# Allegro board 038NC-GRIFFI-V9A_16.brd (continued)
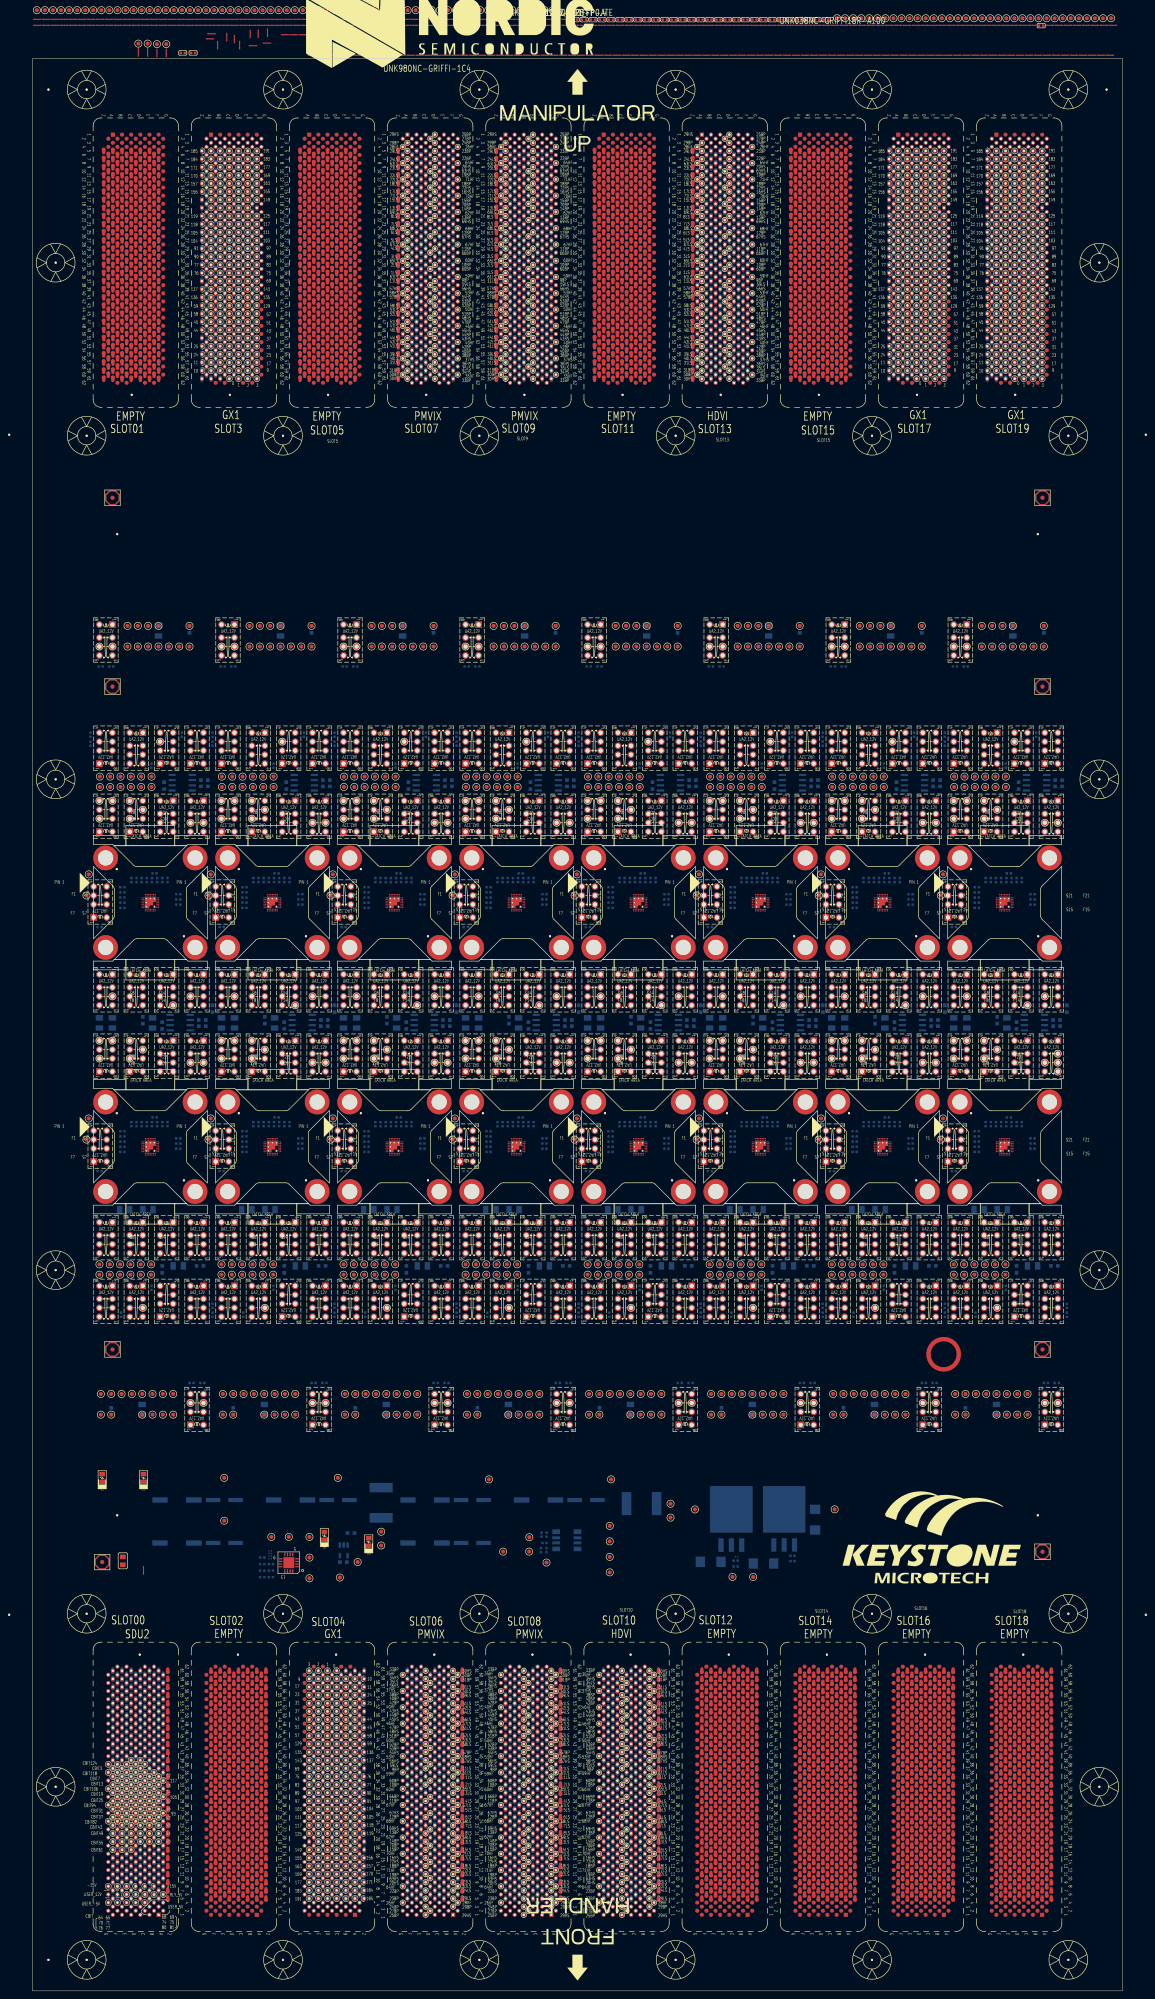
[diagram p0: board, top side]
## Footprints (pads in the part's own frame, mm; a bottom-side part is the same pattern mirrored in y, then rotated) (continued)
PG_LTXDX_F_X1_PMVIX_SL07
  round 0.508 hole 3.2 unplated: (-37.184,154.842)
  round 0.051 hole 2.489x2.21 unplated: (-36.185,220.292)
  rect 1.016x1.016 hole 0.559: A1(-41.814,218.796)
  round 1.016 hole 0.559: A2(-42.939,217.796) A3(-41.814,216.796) A4(-42.939,215.796) A5(-41.814,214.796) A6(-42.939,213.796) A7(-41.814,212.796) A8(-42.939,211.796) A9(-41.814,210.796) A10(-42.939,209.796) A11(-41.814,208.796) A12(-42.939,207.796) A13(-41.814,206.796) A14(-42.939,205.796) A15(-41.814,204.796) A16(-42.939,203.796) A17(-41.814,202.796) A18(-42.939,201.796) A19(-41.814,200.796) A20(-42.939,199.796) A21(-41.814,198.796) A22(-42.939,197.796) A23(-41.814,196.796) A24(-42.939,195.796) A25(-41.814,194.796) A26(-42.939,193.796) A27(-41.814,192.796) A28(-42.939,191.796) A29(-41.814,190.796) A30(-42.939,189.796) A31(-41.814,188.796) A32(-42.939,187.796) A33(-41.814,186.796) A34(-42.939,185.796) A35(-41.814,184.796) A36(-42.939,183.796) A37(-41.814,182.796) A38(-42.939,181.796) A39(-41.814,180.796) A40(-42.939,179.796) A41(-41.814,178.796) A42(-42.939,177.796) A43(-41.814,176.796) A44(-42.939,175.796) A45(-41.814,174.796) A46(-42.939,173.796) A47(-41.814,172.796) A48(-42.939,171.796) A49(-41.814,170.796) A50(-42.939,169.796) A51(-41.814,168.796) A52(-42.939,167.796) A53(-41.814,166.796) A54(-42.939,165.796) A55(-41.814,164.796) A56(-42.939,163.796) A57(-41.814,162.796) A58(-42.939,161.796) A59(-41.814,160.796) A60(-42.939,159.796) A61(-41.814,158.796) B1(-39.565,218.796) B2(-40.69,217.796) B3(-39.565,216.796) B4(-40.69,215.796) B5(-39.565,214.796) B6(-40.69,213.796) B7(-39.565,212.796) B8(-40.69,211.796) B9(-39.565,210.796) B10(-40.69,209.796) B11(-39.565,208.796) B12(-40.69,207.796) B13(-39.565,206.796) B14(-40.69,205.796) B15(-39.565,204.796) B16(-40.69,203.796) B17(-39.565,202.796) B18(-40.69,201.796) B19(-39.565,200.796) B20(-40.69,199.796) B21(-39.565,198.796) B22(-40.69,197.796) B23(-39.565,196.796) B24(-40.69,195.796) B25(-39.565,194.796) B26(-40.69,193.796) B27(-39.565,192.796) B28(-40.69,191.796) B29(-39.565,190.796) B30(-40.69,189.796) B31(-39.565,188.796) B32(-40.69,187.796) B33(-39.565,186.796) B34(-40.69,185.796) B35(-39.565,184.796) B36(-40.69,183.796) B37(-39.565,182.796) B38(-40.69,181.796) B39(-39.565,180.796) B40(-40.69,179.796) B41(-39.565,178.796) B42(-40.69,177.796) B43(-39.565,176.796) B44(-40.69,175.796) B45(-39.565,174.796) B46(-40.69,173.796) B47(-39.565,172.796) B48(-40.69,171.796) B49(-39.565,170.796) B50(-40.69,169.796) B51(-39.565,168.796) B52(-40.69,167.796) B53(-39.565,166.796) B54(-40.69,165.796) B55(-39.565,164.796) B56(-40.69,163.796) B57(-39.565,162.796) B58(-40.69,161.796) B59(-39.565,160.796) B60(-40.69,159.796) B61(-39.565,158.796) B62(-40.69,157.796) C1(-37.314,218.796) C2(-38.44,217.796) C3(-37.314,216.796) C4(-38.44,215.796) C5(-37.314,214.796) C6(-38.44,213.796) C7(-37.314,212.796) C8(-38.44,211.796) C9(-37.314,210.796) C10(-38.44,209.796) C11(-37.314,208.796) C12(-38.44,207.796) C13(-37.314,206.796) C14(-38.44,205.796) C15(-37.314,204.796) C16(-38.44,203.796) C17(-37.314,202.796) C18(-38.44,201.796) C19(-37.314,200.796) C20(-38.44,199.796) C21(-37.314,198.796) C22(-38.44,197.796) C23(-37.314,196.796) C24(-38.44,195.796) C25(-37.314,194.796) C26(-38.44,193.796) C27(-37.314,192.796) C28(-38.44,191.796) C29(-37.314,190.796) C30(-38.44,189.796) C31(-37.314,188.796) C32(-38.44,187.796) C33(-37.314,186.796) C34(-38.44,185.796) C35(-37.314,184.796) C36(-38.44,183.796) C37(-37.314,182.796) C38(-38.44,181.796) C39(-37.314,180.796) C40(-38.44,179.796) C41(-37.314,178.796) C42(-38.44,177.796) C43(-37.314,176.796) C44(-38.44,175.796) C45(-37.314,174.796) C46(-38.44,173.796) C47(-37.314,172.796) C48(-38.44,171.796) C49(-37.314,170.796) C50(-38.44,169.796) C51(-37.314,168.796) C52(-38.44,167.796) C53(-37.314,166.796) C54(-38.44,165.796) C55(-37.314,164.796) C56(-38.44,163.796) C57(-37.314,162.796) C58(-38.44,161.796) C59(-37.314,160.796) C60(-38.44,159.796) C61(-37.314,158.796) C62(-38.44,157.796) D1(-35.064,218.796) D2(-36.189,217.796) D3(-35.064,216.796) D4(-36.189,215.796) D5(-35.064,214.796) D6(-36.189,213.796) D7(-35.064,212.796) D8(-36.189,211.796) D9(-35.064,210.796) D10(-36.189,209.796) D11(-35.064,208.796) D12(-36.189,207.796) D13(-35.064,206.796) D14(-36.189,205.796) D15(-35.064,204.796) D16(-36.189,203.796) D17(-35.064,202.796) D18(-36.189,201.796) D19(-35.064,200.796) D20(-36.189,199.796) D21(-35.064,198.796) D22(-36.189,197.796) D23(-35.064,196.796) D24(-36.189,195.796) D25(-35.064,194.796) D26(-36.189,193.796) D27(-35.064,192.796) D28(-36.189,191.796) D29(-35.064,190.796) D30(-36.189,189.796) D31(-35.064,188.796) D32(-36.189,187.796) D33(-35.064,186.796) D34(-36.189,185.796) D35(-35.064,184.796) D36(-36.189,183.796) D37(-35.064,182.796) D38(-36.189,181.796) D39(-35.064,180.796) D40(-36.189,179.796) D41(-35.064,178.796) D42(-36.189,177.796) D43(-35.064,176.796) D44(-36.189,175.796) D45(-35.064,174.796) D46(-36.189,173.796) D47(-35.064,172.796) D48(-36.189,171.796) D49(-35.064,170.796) D50(-36.189,169.796) D51(-35.064,168.796) D52(-36.189,167.796) D53(-35.064,166.796) D54(-36.189,165.796) D55(-35.064,164.796) D56(-36.189,163.796) D57(-35.064,162.796) D58(-36.189,161.796) D59(-35.064,160.796) D60(-36.189,159.796) D61(-35.064,158.796) E1(-32.815,218.796) E2(-33.939,217.796) E3(-32.815,216.796) E4(-33.939,215.796) E5(-32.815,214.796) E6(-33.939,213.796) E7(-32.815,212.796) E8(-33.939,211.796) E9(-32.815,210.796) E10(-33.939,209.796) E11(-32.815,208.796) E12(-33.939,207.796) E13(-32.815,206.796) E14(-33.939,205.796) E15(-32.815,204.796) E16(-33.939,203.796) E17(-32.815,202.796) E18(-33.939,201.796) E19(-32.815,200.796) E20(-33.939,199.796) E21(-32.815,198.796) E22(-33.939,197.796) E23(-32.815,196.796) E24(-33.939,195.796) E25(-32.815,194.796) E26(-33.939,193.796) E27(-32.815,192.796) E28(-33.939,191.796) E29(-32.815,190.796) E30(-33.939,189.796) E31(-32.815,188.796) E32(-33.939,187.796) E33(-32.815,186.796) E34(-33.939,185.796) E35(-32.815,184.796) E36(-33.939,183.796) E37(-32.815,182.796) E38(-33.939,181.796) E39(-32.815,180.796) E40(-33.939,179.796) E41(-32.815,178.796) E42(-33.939,177.796) E43(-32.815,176.796) E44(-33.939,175.796) E45(-32.815,174.796) E46(-33.939,173.796) E47(-32.815,172.796) E48(-33.939,171.796) E49(-32.815,170.796) E50(-33.939,169.796) E51(-32.815,168.796) E52(-33.939,167.796) E53(-32.815,166.796) E54(-33.939,165.796) E55(-32.815,164.796) E56(-33.939,163.796) E57(-32.815,162.796) E58(-33.939,161.796) E59(-32.815,160.796) E60(-33.939,159.796) E61(-32.815,158.796) E62(-33.939,157.796) F1(-30.565,218.796) F2(-31.69,217.796) F3(-30.565,216.796) F4(-31.69,215.796) F5(-30.565,214.796) F6(-31.69,213.796) F7(-30.565,212.796) F8(-31.69,211.796) F9(-30.565,210.796) F10(-31.69,209.796) F11(-30.565,208.796) F12(-31.69,207.796) F13(-30.565,206.796) F14(-31.69,205.796) F15(-30.565,204.796) F16(-31.69,203.796) F17(-30.565,202.796) F18(-31.69,201.796) F19(-30.565,200.796) F20(-31.69,199.796) F21(-30.565,198.796) F22(-31.69,197.796) F23(-30.565,196.796) F24(-31.69,195.796) F25(-30.565,194.796) F26(-31.69,193.796) F27(-30.565,192.796) F28(-31.69,191.796) F29(-30.565,190.796) F30(-31.69,189.796) F31(-30.565,188.796) F32(-31.69,187.796) F33(-30.565,186.796) F34(-31.69,185.796) F35(-30.565,184.796) F36(-31.69,183.796) F37(-30.565,182.796) F38(-31.69,181.796) F39(-30.565,180.796) F40(-31.69,179.796) F41(-30.565,178.796) F42(-31.69,177.796) F43(-30.565,176.796) F44(-31.69,175.796) F45(-30.565,174.796) F46(-31.69,173.796) F47(-30.565,172.796) F48(-31.69,171.796) F49(-30.565,170.796) F50(-31.69,169.796) F51(-30.565,168.796) F52(-31.69,167.796) F53(-30.565,166.796) F54(-31.69,165.796) F55(-30.565,164.796) F56(-31.69,163.796) F57(-30.565,162.796) F58(-31.69,161.796) F59(-30.565,160.796) F60(-31.69,159.796) F61(-30.565,158.796) F62(-31.69,157.796) G2(-29.44,217.796) G4(-29.44,215.796) G6(-29.44,213.796) G8(-29.44,211.796) G10(-29.44,209.796) G12(-29.44,207.796) G14(-29.44,205.796) G16(-29.44,203.796) G18(-29.44,201.796) G20(-29.44,199.796) G22(-29.44,197.796) G24(-29.44,195.796) G26(-29.44,193.796) G28(-29.44,191.796) G30(-29.44,189.796) G32(-29.44,187.796) G34(-29.44,185.796) G36(-29.44,183.796) G38(-29.44,181.796) G40(-29.44,179.796) G42(-29.44,177.796) G44(-29.44,175.796) G46(-29.44,173.796) G48(-29.44,171.796) G50(-29.44,169.796) G52(-29.44,167.796) G54(-29.44,165.796) G56(-29.44,163.796) G58(-29.44,161.796) G60(-29.44,159.796)
  custom 0.257x0.257 smd: Z5(-44.064,214.796) Z7(-44.064,212.796) Z9(-44.064,210.796) Z11(-44.064,208.796) Z13(-44.064,206.796) Z15(-44.064,204.796) Z17(-44.064,202.796) Z19(-44.064,200.796) Z21(-44.064,198.796) Z23(-44.064,196.796) Z25(-44.064,194.796) Z27(-44.064,192.796) Z29(-44.064,190.796) Z31(-44.064,188.796) Z33(-44.064,186.796) Z35(-44.064,184.796) Z37(-44.064,182.796) Z39(-44.064,180.796) Z41(-44.064,178.796) Z43(-44.064,176.796) Z45(-44.064,174.796) Z47(-44.064,172.796) Z49(-44.064,170.796) Z51(-44.064,168.796) Z53(-44.064,166.796) Z55(-44.064,164.796) Z57(-44.064,162.796) Z59(-44.064,160.796) Z61(-44.064,158.796)
PG_LTXDX_F_X1_PMVIX_SL08
  round 0.051 hole 2.489x2.21 unplated: (-12.075,-220.292)
  round 0.508 hole 3.2 unplated: (-11.076,-154.842)
  rect 1.016x1.016 hole 0.559: A1(-6.446,-218.796)
  round 1.016 hole 0.559: A2(-5.321,-217.796) A3(-6.446,-216.796) A4(-5.321,-215.796) A5(-6.446,-214.796) A6(-5.321,-213.796) A7(-6.446,-212.796) A8(-5.321,-211.796) A9(-6.446,-210.796) A10(-5.321,-209.796) A11(-6.446,-208.796) A12(-5.321,-207.796) A13(-6.446,-206.796) A14(-5.321,-205.796) A15(-6.446,-204.796) A16(-5.321,-203.796) A17(-6.446,-202.796) A18(-5.321,-201.796) A19(-6.446,-200.796) A20(-5.321,-199.796) A21(-6.446,-198.796) A22(-5.321,-197.796) A23(-6.446,-196.796) A24(-5.321,-195.796) A25(-6.446,-194.796) A26(-5.321,-193.796) A27(-6.446,-192.796) A28(-5.321,-191.796) A29(-6.446,-190.796) A30(-5.321,-189.796) A31(-6.446,-188.796) A32(-5.321,-187.796) A33(-6.446,-186.796) A34(-5.321,-185.796) A35(-6.446,-184.796) A36(-5.321,-183.796) A37(-6.446,-182.796) A38(-5.321,-181.796) A39(-6.446,-180.796) A40(-5.321,-179.796) A41(-6.446,-178.796) A42(-5.321,-177.796) A43(-6.446,-176.796) A44(-5.321,-175.796) A45(-6.446,-174.796) A46(-5.321,-173.796) A47(-6.446,-172.796) A48(-5.321,-171.796) A49(-6.446,-170.796) A50(-5.321,-169.796) A51(-6.446,-168.796) A52(-5.321,-167.796) A53(-6.446,-166.796) A54(-5.321,-165.796) A55(-6.446,-164.796) A56(-5.321,-163.796) A57(-6.446,-162.796) A58(-5.321,-161.796) A59(-6.446,-160.796) A60(-5.321,-159.796) A61(-6.446,-158.796) B1(-8.695,-218.796) B2(-7.57,-217.796) B3(-8.695,-216.796) B4(-7.57,-215.796) B5(-8.695,-214.796) B6(-7.57,-213.796) B7(-8.695,-212.796) B8(-7.57,-211.796) B9(-8.695,-210.796) B10(-7.57,-209.796) B11(-8.695,-208.796) B12(-7.57,-207.796) B13(-8.695,-206.796) B14(-7.57,-205.796) B15(-8.695,-204.796) B16(-7.57,-203.796) B17(-8.695,-202.796) B18(-7.57,-201.796) B19(-8.695,-200.796) B20(-7.57,-199.796) B21(-8.695,-198.796) B22(-7.57,-197.796) B23(-8.695,-196.796) B24(-7.57,-195.796) B25(-8.695,-194.796) B26(-7.57,-193.796) B27(-8.695,-192.796) B28(-7.57,-191.796) B29(-8.695,-190.796) B30(-7.57,-189.796) B31(-8.695,-188.796) B32(-7.57,-187.796) B33(-8.695,-186.796) B34(-7.57,-185.796) B35(-8.695,-184.796) B36(-7.57,-183.796) B37(-8.695,-182.796) B38(-7.57,-181.796) B39(-8.695,-180.796) B40(-7.57,-179.796) B41(-8.695,-178.796) B42(-7.57,-177.796) B43(-8.695,-176.796) B44(-7.57,-175.796) B45(-8.695,-174.796) B46(-7.57,-173.796) B47(-8.695,-172.796) B48(-7.57,-171.796) B49(-8.695,-170.796) B50(-7.57,-169.796) B51(-8.695,-168.796) B52(-7.57,-167.796) B53(-8.695,-166.796) B54(-7.57,-165.796) B55(-8.695,-164.796) B56(-7.57,-163.796) B57(-8.695,-162.796) B58(-7.57,-161.796) B59(-8.695,-160.796) B60(-7.57,-159.796) B61(-8.695,-158.796) B62(-7.57,-157.796) C1(-10.946,-218.796) C2(-9.82,-217.796) C3(-10.946,-216.796) C4(-9.82,-215.796) C5(-10.946,-214.796) C6(-9.82,-213.796) C7(-10.946,-212.796) C8(-9.82,-211.796) C9(-10.946,-210.796) C10(-9.82,-209.796) C11(-10.946,-208.796) C12(-9.82,-207.796) C13(-10.946,-206.796) C14(-9.82,-205.796) C15(-10.946,-204.796) C16(-9.82,-203.796) C17(-10.946,-202.796) C18(-9.82,-201.796) C19(-10.946,-200.796) C20(-9.82,-199.796) C21(-10.946,-198.796) C22(-9.82,-197.796) C23(-10.946,-196.796) C24(-9.82,-195.796) C25(-10.946,-194.796) C26(-9.82,-193.796) C27(-10.946,-192.796) C28(-9.82,-191.796) C29(-10.946,-190.796) C30(-9.82,-189.796) C31(-10.946,-188.796) C32(-9.82,-187.796) C33(-10.946,-186.796) C34(-9.82,-185.796) C35(-10.946,-184.796) C36(-9.82,-183.796) C37(-10.946,-182.796) C38(-9.82,-181.796) C39(-10.946,-180.796) C40(-9.82,-179.796) C41(-10.946,-178.796) C42(-9.82,-177.796) C43(-10.946,-176.796) C44(-9.82,-175.796) C45(-10.946,-174.796) C46(-9.82,-173.796) C47(-10.946,-172.796) C48(-9.82,-171.796) C49(-10.946,-170.796) C50(-9.82,-169.796) C51(-10.946,-168.796) C52(-9.82,-167.796) C53(-10.946,-166.796) C54(-9.82,-165.796) C55(-10.946,-164.796) C56(-9.82,-163.796) C57(-10.946,-162.796) C58(-9.82,-161.796) C59(-10.946,-160.796) C60(-9.82,-159.796) C61(-10.946,-158.796) C62(-9.82,-157.796) D1(-13.196,-218.796) D2(-12.071,-217.796) D3(-13.196,-216.796) D4(-12.071,-215.796) D5(-13.196,-214.796) D6(-12.071,-213.796) D7(-13.196,-212.796) D8(-12.071,-211.796) D9(-13.196,-210.796) D10(-12.071,-209.796) D11(-13.196,-208.796) D12(-12.071,-207.796) D13(-13.196,-206.796) D14(-12.071,-205.796) D15(-13.196,-204.796) D16(-12.071,-203.796) D17(-13.196,-202.796) D18(-12.071,-201.796) D19(-13.196,-200.796) D20(-12.071,-199.796) D21(-13.196,-198.796) D22(-12.071,-197.796) D23(-13.196,-196.796) D24(-12.071,-195.796) D25(-13.196,-194.796) D26(-12.071,-193.796) D27(-13.196,-192.796) D28(-12.071,-191.796) D29(-13.196,-190.796) D30(-12.071,-189.796) D31(-13.196,-188.796) D32(-12.071,-187.796) D33(-13.196,-186.796) D34(-12.071,-185.796) D35(-13.196,-184.796) D36(-12.071,-183.796) D37(-13.196,-182.796) D38(-12.071,-181.796) D39(-13.196,-180.796) D40(-12.071,-179.796) D41(-13.196,-178.796) D42(-12.071,-177.796) D43(-13.196,-176.796) D44(-12.071,-175.796) D45(-13.196,-174.796) D46(-12.071,-173.796) D47(-13.196,-172.796) D48(-12.071,-171.796) D49(-13.196,-170.796) D50(-12.071,-169.796) D51(-13.196,-168.796) D52(-12.071,-167.796) D53(-13.196,-166.796) D54(-12.071,-165.796) D55(-13.196,-164.796) D56(-12.071,-163.796) D57(-13.196,-162.796) D58(-12.071,-161.796) D59(-13.196,-160.796) D60(-12.071,-159.796) D61(-13.196,-158.796) E1(-15.445,-218.796) E2(-14.321,-217.796) E3(-15.445,-216.796) E4(-14.321,-215.796) E5(-15.445,-214.796) E6(-14.321,-213.796) E7(-15.445,-212.796) E8(-14.321,-211.796) E9(-15.445,-210.796) E10(-14.321,-209.796) E11(-15.445,-208.796) E12(-14.321,-207.796) E13(-15.445,-206.796) E14(-14.321,-205.796) E15(-15.445,-204.796) E16(-14.321,-203.796) E17(-15.445,-202.796) E18(-14.321,-201.796) E19(-15.445,-200.796) E20(-14.321,-199.796) E21(-15.445,-198.796) E22(-14.321,-197.796) E23(-15.445,-196.796) E24(-14.321,-195.796) E25(-15.445,-194.796) E26(-14.321,-193.796) E27(-15.445,-192.796) E28(-14.321,-191.796) E29(-15.445,-190.796) E30(-14.321,-189.796) E31(-15.445,-188.796) E32(-14.321,-187.796) E33(-15.445,-186.796) E34(-14.321,-185.796) E35(-15.445,-184.796) E36(-14.321,-183.796) E37(-15.445,-182.796) E38(-14.321,-181.796) E39(-15.445,-180.796) E40(-14.321,-179.796) E41(-15.445,-178.796) E42(-14.321,-177.796) E43(-15.445,-176.796) E44(-14.321,-175.796) E45(-15.445,-174.796) E46(-14.321,-173.796) E47(-15.445,-172.796) E48(-14.321,-171.796) E49(-15.445,-170.796) E50(-14.321,-169.796) E51(-15.445,-168.796) E52(-14.321,-167.796) E53(-15.445,-166.796) E54(-14.321,-165.796) E55(-15.445,-164.796) E56(-14.321,-163.796) E57(-15.445,-162.796) E58(-14.321,-161.796) E59(-15.445,-160.796) E60(-14.321,-159.796) E61(-15.445,-158.796) E62(-14.321,-157.796) F1(-17.695,-218.796) F2(-16.57,-217.796) F3(-17.695,-216.796) F4(-16.57,-215.796) F5(-17.695,-214.796) F6(-16.57,-213.796) F7(-17.695,-212.796) F8(-16.57,-211.796) F9(-17.695,-210.796) F10(-16.57,-209.796) F11(-17.695,-208.796) F12(-16.57,-207.796) F13(-17.695,-206.796) F14(-16.57,-205.796) F15(-17.695,-204.796) F16(-16.57,-203.796) F17(-17.695,-202.796) F18(-16.57,-201.796) F19(-17.695,-200.796) F20(-16.57,-199.796) F21(-17.695,-198.796) F22(-16.57,-197.796) F23(-17.695,-196.796) F24(-16.57,-195.796) F25(-17.695,-194.796) F26(-16.57,-193.796) F27(-17.695,-192.796) F28(-16.57,-191.796) F29(-17.695,-190.796) F30(-16.57,-189.796) F31(-17.695,-188.796) F32(-16.57,-187.796) F33(-17.695,-186.796) F34(-16.57,-185.796) F35(-17.695,-184.796) F36(-16.57,-183.796) F37(-17.695,-182.796) F38(-16.57,-181.796) F39(-17.695,-180.796) F40(-16.57,-179.796) F41(-17.695,-178.796) F42(-16.57,-177.796) F43(-17.695,-176.796) F44(-16.57,-175.796) F45(-17.695,-174.796) F46(-16.57,-173.796) F47(-17.695,-172.796) F48(-16.57,-171.796) F49(-17.695,-170.796) F50(-16.57,-169.796) F51(-17.695,-168.796) F52(-16.57,-167.796) F53(-17.695,-166.796) F54(-16.57,-165.796) F55(-17.695,-164.796) F56(-16.57,-163.796) F57(-17.695,-162.796) F58(-16.57,-161.796) F59(-17.695,-160.796) F60(-16.57,-159.796) F61(-17.695,-158.796) F62(-16.57,-157.796) G2(-18.82,-217.796) G4(-18.82,-215.796) G6(-18.82,-213.796) G8(-18.82,-211.796) G10(-18.82,-209.796) G12(-18.82,-207.796) G14(-18.82,-205.796) G16(-18.82,-203.796) G18(-18.82,-201.796) G20(-18.82,-199.796) G22(-18.82,-197.796) G24(-18.82,-195.796) G26(-18.82,-193.796) G28(-18.82,-191.796) G30(-18.82,-189.796) G32(-18.82,-187.796) G34(-18.82,-185.796) G36(-18.82,-183.796) G38(-18.82,-181.796) G40(-18.82,-179.796) G42(-18.82,-177.796) G44(-18.82,-175.796) G46(-18.82,-173.796) G48(-18.82,-171.796) G50(-18.82,-169.796) G52(-18.82,-167.796) G54(-18.82,-165.796) G56(-18.82,-163.796) G58(-18.82,-161.796) G60(-18.82,-159.796)
  custom 0.257x0.257 smd: Z5(-4.196,-214.796) Z7(-4.196,-212.796) Z9(-4.196,-210.796) Z11(-4.196,-208.796) Z13(-4.196,-206.796) Z15(-4.196,-204.796) Z17(-4.196,-202.796) Z19(-4.196,-200.796) Z21(-4.196,-198.796) Z23(-4.196,-196.796) Z25(-4.196,-194.796) Z27(-4.196,-192.796) Z29(-4.196,-190.796) Z31(-4.196,-188.796) Z33(-4.196,-186.796) Z35(-4.196,-184.796) Z37(-4.196,-182.796) Z39(-4.196,-180.796) Z41(-4.196,-178.796) Z43(-4.196,-176.796) Z45(-4.196,-174.796) Z47(-4.196,-172.796) Z49(-4.196,-170.796) Z51(-4.196,-168.796) Z53(-4.196,-166.796) Z55(-4.196,-164.796) Z57(-4.196,-162.796) Z59(-4.196,-160.796) Z61(-4.196,-158.796)
PG_LTXDX_F_X1_PMVIX_SL09
  round 0.508 hole 3.2 unplated: (-13.054,154.842)
  round 0.051 hole 2.489x2.21 unplated: (-12.055,220.292)
  rect 1.016x1.016 hole 0.559: A1(-17.684,218.796)
  round 1.016 hole 0.559: A2(-18.809,217.796) A3(-17.684,216.796) A4(-18.809,215.796) A5(-17.684,214.796) A6(-18.809,213.796) A7(-17.684,212.796) A8(-18.809,211.796) A9(-17.684,210.796) A10(-18.809,209.796) A11(-17.684,208.796) A12(-18.809,207.796) A13(-17.684,206.796) A14(-18.809,205.796) A15(-17.684,204.796) A16(-18.809,203.796) A17(-17.684,202.796) A18(-18.809,201.796) A19(-17.684,200.796) A20(-18.809,199.796) A21(-17.684,198.796) A22(-18.809,197.796) A23(-17.684,196.796) A24(-18.809,195.796) A25(-17.684,194.796) A26(-18.809,193.796) A27(-17.684,192.796) A28(-18.809,191.796) A29(-17.684,190.796) A30(-18.809,189.796) A31(-17.684,188.796) A32(-18.809,187.796) A33(-17.684,186.796) A34(-18.809,185.796) A35(-17.684,184.796) A36(-18.809,183.796) A37(-17.684,182.796) A38(-18.809,181.796) A39(-17.684,180.796) A40(-18.809,179.796) A41(-17.684,178.796) A42(-18.809,177.796) A43(-17.684,176.796) A44(-18.809,175.796) A45(-17.684,174.796) A46(-18.809,173.796) A47(-17.684,172.796) A48(-18.809,171.796) A49(-17.684,170.796) A50(-18.809,169.796) A51(-17.684,168.796) A52(-18.809,167.796) A53(-17.684,166.796) A54(-18.809,165.796) A55(-17.684,164.796) A56(-18.809,163.796) A57(-17.684,162.796) A58(-18.809,161.796) A59(-17.684,160.796) A60(-18.809,159.796) A61(-17.684,158.796) B1(-15.435,218.796) B2(-16.56,217.796) B3(-15.435,216.796) B4(-16.56,215.796) B5(-15.435,214.796) B6(-16.56,213.796) B7(-15.435,212.796) B8(-16.56,211.796) B9(-15.435,210.796) B10(-16.56,209.796) B11(-15.435,208.796) B12(-16.56,207.796) B13(-15.435,206.796) B14(-16.56,205.796) B15(-15.435,204.796) B16(-16.56,203.796) B17(-15.435,202.796) B18(-16.56,201.796) B19(-15.435,200.796) B20(-16.56,199.796) B21(-15.435,198.796) B22(-16.56,197.796) B23(-15.435,196.796) B24(-16.56,195.796) B25(-15.435,194.796) B26(-16.56,193.796) B27(-15.435,192.796) B28(-16.56,191.796) B29(-15.435,190.796) B30(-16.56,189.796) B31(-15.435,188.796) B32(-16.56,187.796) B33(-15.435,186.796) B34(-16.56,185.796) B35(-15.435,184.796) B36(-16.56,183.796) B37(-15.435,182.796) B38(-16.56,181.796) B39(-15.435,180.796) B40(-16.56,179.796) B41(-15.435,178.796) B42(-16.56,177.796) B43(-15.435,176.796) B44(-16.56,175.796) B45(-15.435,174.796) B46(-16.56,173.796) B47(-15.435,172.796) B48(-16.56,171.796) B49(-15.435,170.796) B50(-16.56,169.796) B51(-15.435,168.796) B52(-16.56,167.796) B53(-15.435,166.796) B54(-16.56,165.796) B55(-15.435,164.796) B56(-16.56,163.796) B57(-15.435,162.796) B58(-16.56,161.796) B59(-15.435,160.796) B60(-16.56,159.796) B61(-15.435,158.796) B62(-16.56,157.796) C1(-13.184,218.796) C2(-14.31,217.796) C3(-13.184,216.796) C4(-14.31,215.796) C5(-13.184,214.796) C6(-14.31,213.796) C7(-13.184,212.796) C8(-14.31,211.796) C9(-13.184,210.796) C10(-14.31,209.796) C11(-13.184,208.796) C12(-14.31,207.796) C13(-13.184,206.796) C14(-14.31,205.796) C15(-13.184,204.796) C16(-14.31,203.796) C17(-13.184,202.796) C18(-14.31,201.796) C19(-13.184,200.796) C20(-14.31,199.796) C21(-13.184,198.796) C22(-14.31,197.796) C23(-13.184,196.796) C24(-14.31,195.796) C25(-13.184,194.796) C26(-14.31,193.796) C27(-13.184,192.796) C28(-14.31,191.796) C29(-13.184,190.796) C30(-14.31,189.796) C31(-13.184,188.796) C32(-14.31,187.796) C33(-13.184,186.796) C34(-14.31,185.796) C35(-13.184,184.796) C36(-14.31,183.796) C37(-13.184,182.796) C38(-14.31,181.796) C39(-13.184,180.796) C40(-14.31,179.796) C41(-13.184,178.796) C42(-14.31,177.796) C43(-13.184,176.796) C44(-14.31,175.796) C45(-13.184,174.796) C46(-14.31,173.796) C47(-13.184,172.796) C48(-14.31,171.796) C49(-13.184,170.796) C50(-14.31,169.796) C51(-13.184,168.796) C52(-14.31,167.796) C53(-13.184,166.796) C54(-14.31,165.796) C55(-13.184,164.796) C56(-14.31,163.796) C57(-13.184,162.796) C58(-14.31,161.796) C59(-13.184,160.796) C60(-14.31,159.796) C61(-13.184,158.796) C62(-14.31,157.796) D1(-10.934,218.796) D2(-12.059,217.796) D3(-10.934,216.796) D4(-12.059,215.796) D5(-10.934,214.796) D6(-12.059,213.796) D7(-10.934,212.796) D8(-12.059,211.796) D9(-10.934,210.796) D10(-12.059,209.796) D11(-10.934,208.796) D12(-12.059,207.796) D13(-10.934,206.796) D14(-12.059,205.796) D15(-10.934,204.796) D16(-12.059,203.796) D17(-10.934,202.796) D18(-12.059,201.796) D19(-10.934,200.796) D20(-12.059,199.796) D21(-10.934,198.796) D22(-12.059,197.796) D23(-10.934,196.796) D24(-12.059,195.796) D25(-10.934,194.796) D26(-12.059,193.796) D27(-10.934,192.796) D28(-12.059,191.796) D29(-10.934,190.796) D30(-12.059,189.796) D31(-10.934,188.796) D32(-12.059,187.796) D33(-10.934,186.796) D34(-12.059,185.796) D35(-10.934,184.796) D36(-12.059,183.796) D37(-10.934,182.796) D38(-12.059,181.796) D39(-10.934,180.796) D40(-12.059,179.796) D41(-10.934,178.796) D42(-12.059,177.796) D43(-10.934,176.796) D44(-12.059,175.796) D45(-10.934,174.796) D46(-12.059,173.796) D47(-10.934,172.796) D48(-12.059,171.796) D49(-10.934,170.796) D50(-12.059,169.796) D51(-10.934,168.796) D52(-12.059,167.796) D53(-10.934,166.796) D54(-12.059,165.796) D55(-10.934,164.796) D56(-12.059,163.796) D57(-10.934,162.796) D58(-12.059,161.796) D59(-10.934,160.796) D60(-12.059,159.796) D61(-10.934,158.796) E1(-8.685,218.796) E2(-9.809,217.796) E3(-8.685,216.796) E4(-9.809,215.796) E5(-8.685,214.796) E6(-9.809,213.796) E7(-8.685,212.796) E8(-9.809,211.796) E9(-8.685,210.796) E10(-9.809,209.796) E11(-8.685,208.796) E12(-9.809,207.796) E13(-8.685,206.796) E14(-9.809,205.796) E15(-8.685,204.796) E16(-9.809,203.796) E17(-8.685,202.796) E18(-9.809,201.796) E19(-8.685,200.796) E20(-9.809,199.796) E21(-8.685,198.796) E22(-9.809,197.796) E23(-8.685,196.796) E24(-9.809,195.796) E25(-8.685,194.796) E26(-9.809,193.796) E27(-8.685,192.796) E28(-9.809,191.796) E29(-8.685,190.796) E30(-9.809,189.796) E31(-8.685,188.796) E32(-9.809,187.796) E33(-8.685,186.796) E34(-9.809,185.796) E35(-8.685,184.796) E36(-9.809,183.796) E37(-8.685,182.796) E38(-9.809,181.796) E39(-8.685,180.796) E40(-9.809,179.796) E41(-8.685,178.796) E42(-9.809,177.796) E43(-8.685,176.796) E44(-9.809,175.796) E45(-8.685,174.796) E46(-9.809,173.796) E47(-8.685,172.796) E48(-9.809,171.796) E49(-8.685,170.796) E50(-9.809,169.796) E51(-8.685,168.796) E52(-9.809,167.796) E53(-8.685,166.796) E54(-9.809,165.796) E55(-8.685,164.796) E56(-9.809,163.796) E57(-8.685,162.796) E58(-9.809,161.796) E59(-8.685,160.796) E60(-9.809,159.796) E61(-8.685,158.796) E62(-9.809,157.796) F1(-6.435,218.796) F2(-7.56,217.796) F3(-6.435,216.796) F4(-7.56,215.796) F5(-6.435,214.796) F6(-7.56,213.796) F7(-6.435,212.796) F8(-7.56,211.796) F9(-6.435,210.796) F10(-7.56,209.796) F11(-6.435,208.796) F12(-7.56,207.796) F13(-6.435,206.796) F14(-7.56,205.796) F15(-6.435,204.796) F16(-7.56,203.796) F17(-6.435,202.796) F18(-7.56,201.796) F19(-6.435,200.796) F20(-7.56,199.796) F21(-6.435,198.796) F22(-7.56,197.796) F23(-6.435,196.796) F24(-7.56,195.796) F25(-6.435,194.796) F26(-7.56,193.796) F27(-6.435,192.796) F28(-7.56,191.796) F29(-6.435,190.796) F30(-7.56,189.796) F31(-6.435,188.796) F32(-7.56,187.796) F33(-6.435,186.796) F34(-7.56,185.796) F35(-6.435,184.796) F36(-7.56,183.796) F37(-6.435,182.796) F38(-7.56,181.796) F39(-6.435,180.796) F40(-7.56,179.796) F41(-6.435,178.796) F42(-7.56,177.796) F43(-6.435,176.796) F44(-7.56,175.796) F45(-6.435,174.796) F46(-7.56,173.796) F47(-6.435,172.796) F48(-7.56,171.796) F49(-6.435,170.796) F50(-7.56,169.796) F51(-6.435,168.796) F52(-7.56,167.796) F53(-6.435,166.796) F54(-7.56,165.796) F55(-6.435,164.796) F56(-7.56,163.796) F57(-6.435,162.796) F58(-7.56,161.796) F59(-6.435,160.796) F60(-7.56,159.796) F61(-6.435,158.796) F62(-7.56,157.796) G2(-5.31,217.796) G4(-5.31,215.796) G6(-5.31,213.796) G8(-5.31,211.796) G10(-5.31,209.796) G12(-5.31,207.796) G14(-5.31,205.796) G16(-5.31,203.796) G18(-5.31,201.796) G20(-5.31,199.796) G22(-5.31,197.796) G24(-5.31,195.796) G26(-5.31,193.796) G28(-5.31,191.796) G30(-5.31,189.796) G32(-5.31,187.796) G34(-5.31,185.796) G36(-5.31,183.796) G38(-5.31,181.796) G40(-5.31,179.796) G42(-5.31,177.796) G44(-5.31,175.796) G46(-5.31,173.796) G48(-5.31,171.796) G50(-5.31,169.796) G52(-5.31,167.796) G54(-5.31,165.796) G56(-5.31,163.796) G58(-5.31,161.796) G60(-5.31,159.796)
  custom 0.257x0.257 smd: Z5(-19.934,214.796) Z7(-19.934,212.796) Z9(-19.934,210.796) Z11(-19.934,208.796) Z13(-19.934,206.796) Z15(-19.934,204.796) Z17(-19.934,202.796) Z19(-19.934,200.796) Z21(-19.934,198.796) Z23(-19.934,196.796) Z25(-19.934,194.796) Z27(-19.934,192.796) Z29(-19.934,190.796) Z31(-19.934,188.796) Z33(-19.934,186.796) Z35(-19.934,184.796) Z37(-19.934,182.796) Z39(-19.934,180.796) Z41(-19.934,178.796) Z43(-19.934,176.796) Z45(-19.934,174.796) Z47(-19.934,172.796) Z49(-19.934,170.796) Z51(-19.934,168.796) Z53(-19.934,166.796) Z55(-19.934,164.796) Z57(-19.934,162.796) Z59(-19.934,160.796) Z61(-19.934,158.796)
PG_LTXDX_F_X1_SDU2_SL00_V3
  round 0.051 hole 2.489x2.21 unplated: (-108.595,-220.342)
  round 0.508 hole 3.2 unplated: (-107.596,-154.842)
  rect 1.016x1.016 hole 0.559: A1(-102.966,-218.796)
  round 1.016 hole 0.559: A2(-101.841,-217.796) A3(-102.966,-216.796) A4(-101.841,-215.796) A5(-102.966,-214.796) A6(-101.841,-213.796) A7(-102.966,-212.796) A8(-101.841,-211.796) A9(-102.966,-210.796) A10(-101.841,-209.796) A11(-102.966,-208.796) A12(-101.841,-207.796) A13(-102.966,-206.796) A14(-101.841,-205.796) A15(-102.966,-204.796) A16(-101.841,-203.796) A17(-102.966,-202.796) A18(-101.841,-201.796) A19(-102.966,-200.796) A20(-101.841,-199.796) A21(-102.966,-198.796) A22(-101.841,-197.796) A23(-102.966,-196.796) A24(-101.841,-195.796) A25(-102.966,-194.796) A26(-101.841,-193.796) A27(-102.966,-192.796) A28(-101.841,-191.796) A29(-102.966,-190.796) A30(-101.841,-189.796) A31(-102.966,-188.796) A32(-101.841,-187.796) A33(-102.966,-186.796) A34(-101.841,-185.796) A35(-102.966,-184.796) A36(-101.841,-183.796) A37(-102.966,-182.796) A38(-101.841,-181.796) A39(-102.966,-180.796) A40(-101.841,-179.796) A41(-102.966,-178.796) A42(-101.841,-177.796) A43(-102.966,-176.796) A44(-101.841,-175.796) A45(-102.966,-174.796) A46(-101.841,-173.796) A47(-102.966,-172.796) A48(-101.841,-171.796) A49(-102.966,-170.796) A50(-101.841,-169.796) A51(-102.966,-168.796) A52(-101.841,-167.796) A53(-102.966,-166.796) A54(-101.841,-165.796) A55(-102.966,-164.796) A56(-101.841,-163.796) A57(-102.966,-162.796) A58(-101.841,-161.796) A59(-102.966,-160.796) A60(-101.841,-159.796) A61(-102.966,-158.796) B1(-105.215,-218.796) B2(-104.09,-217.796) B3(-105.215,-216.796) B4(-104.09,-215.796) B5(-105.215,-214.796) B6(-104.09,-213.796) B7(-105.215,-212.796) B8(-104.09,-211.796) B9(-105.215,-210.796) B10(-104.09,-209.796) B11(-105.215,-208.796) B12(-104.09,-207.796) B13(-105.215,-206.796) B14(-104.09,-205.796) B15(-105.215,-204.796) B16(-104.09,-203.796) B17(-105.215,-202.796) B18(-104.09,-201.796) B19(-105.215,-200.796) B20(-104.09,-199.796) B21(-105.215,-198.796) B22(-104.09,-197.796) B23(-105.215,-196.796) B24(-104.09,-195.796) B25(-105.215,-194.796) B26(-104.09,-193.796) B27(-105.215,-192.796) B28(-104.09,-191.796) B29(-105.215,-190.796) B30(-104.09,-189.796) B31(-105.215,-188.796) B32(-104.09,-187.796) B33(-105.215,-186.796) B34(-104.09,-185.796) B35(-105.215,-184.796) B36(-104.09,-183.796) B37(-105.215,-182.796) B38(-104.09,-181.796) B39(-105.215,-180.796) B40(-104.09,-179.796) B41(-105.215,-178.796) B42(-104.09,-177.796) B43(-105.215,-176.796) B44(-104.09,-175.796) B45(-105.215,-174.796) B46(-104.09,-173.796) B47(-105.215,-172.796) B48(-104.09,-171.796) B49(-105.215,-170.796) B50(-104.09,-169.796) B51(-105.215,-168.796) B52(-104.09,-167.796) B53(-105.215,-166.796) B54(-104.09,-165.796) B55(-105.215,-164.796) B56(-104.09,-163.796) B57(-105.215,-162.796) B58(-104.09,-161.796) B59(-105.215,-160.796) B60(-104.09,-159.796) B61(-105.215,-158.796) B62(-104.09,-157.796) C1(-107.466,-218.796) C2(-106.34,-217.796) C3(-107.466,-216.796) C4(-106.34,-215.796) C5(-107.466,-214.796) C6(-106.34,-213.796) C7(-107.466,-212.796) C8(-106.34,-211.796) C9(-107.466,-210.796) C10(-106.34,-209.796) C11(-107.466,-208.796) C12(-106.34,-207.796) C13(-107.466,-206.796) C14(-106.34,-205.796) C15(-107.466,-204.796) C16(-106.34,-203.796) C17(-107.466,-202.796) C18(-106.34,-201.796) C19(-107.466,-200.796) C20(-106.34,-199.796) C21(-107.466,-198.796) C22(-106.34,-197.796) C23(-107.466,-196.796) C24(-106.34,-195.796) C25(-107.466,-194.796) C26(-106.34,-193.796) C27(-107.466,-192.796) C28(-106.34,-191.796) C29(-107.466,-190.796) C30(-106.34,-189.796) C31(-107.466,-188.796) C32(-106.34,-187.796) C33(-107.466,-186.796) C34(-106.34,-185.796) C35(-107.466,-184.796) C36(-106.34,-183.796) C37(-107.466,-182.796) C38(-106.34,-181.796) C39(-107.466,-180.796) C40(-106.34,-179.796) C41(-107.466,-178.796) C42(-106.34,-177.796) C43(-107.466,-176.796) C44(-106.34,-175.796) C45(-107.466,-174.796) C46(-106.34,-173.796) C47(-107.466,-172.796) C48(-106.34,-171.796) C49(-107.466,-170.796) C50(-106.34,-169.796) C51(-107.466,-168.796) C52(-106.34,-167.796) C53(-107.466,-166.796) C54(-106.34,-165.796) C55(-107.466,-164.796) C56(-106.34,-163.796) C57(-107.466,-162.796) C58(-106.34,-161.796) C59(-107.466,-160.796) C60(-106.34,-159.796) C61(-107.466,-158.796) C62(-106.34,-157.796) D1(-109.716,-218.796) D2(-108.591,-217.796) D3(-109.716,-216.796) D4(-108.591,-215.796) D5(-109.716,-214.796) D6(-108.591,-213.796) D7(-109.716,-212.796) D8(-108.591,-211.796) D9(-109.716,-210.796) D10(-108.591,-209.796) D11(-109.716,-208.796) D12(-108.591,-207.796) D13(-109.716,-206.796) D14(-108.591,-205.796) D15(-109.716,-204.796) D16(-108.591,-203.796) D17(-109.716,-202.796) D18(-108.591,-201.796) D19(-109.716,-200.796) D20(-108.591,-199.796) D21(-109.716,-198.796) D22(-108.591,-197.796) D23(-109.716,-196.796) D24(-108.591,-195.796) D25(-109.716,-194.796) D26(-108.591,-193.796) D27(-109.716,-192.796) D28(-108.591,-191.796) D29(-109.716,-190.796) D30(-108.591,-189.796) D31(-109.716,-188.796) D32(-108.591,-187.796) D33(-109.716,-186.796) D34(-108.591,-185.796) D35(-109.716,-184.796) D36(-108.591,-183.796) D37(-109.716,-182.796) D38(-108.591,-181.796) D39(-109.716,-180.796) D40(-108.591,-179.796) D41(-109.716,-178.796) D42(-108.591,-177.796) D43(-109.716,-176.796) D44(-108.591,-175.796) D45(-109.716,-174.796) D46(-108.591,-173.796) D47(-109.716,-172.796) D48(-108.591,-171.796) D49(-109.716,-170.796) D50(-108.591,-169.796) D51(-109.716,-168.796) D52(-108.591,-167.796) D53(-109.716,-166.796) D54(-108.591,-165.796) D55(-109.716,-164.796) D56(-108.591,-163.796) D57(-109.716,-162.796) D58(-108.591,-161.796) D59(-109.716,-160.796) D60(-108.591,-159.796) D61(-109.716,-158.796) E1(-111.965,-218.796) E2(-110.841,-217.796) E3(-111.965,-216.796) E4(-110.841,-215.796) E5(-111.965,-214.796) E6(-110.841,-213.796) E7(-111.965,-212.796) E8(-110.841,-211.796) E9(-111.965,-210.796) E10(-110.841,-209.796) E11(-111.965,-208.796) E12(-110.841,-207.796) E13(-111.965,-206.796) E14(-110.841,-205.796) E15(-111.965,-204.796) E16(-110.841,-203.796) E17(-111.965,-202.796) E18(-110.841,-201.796) E19(-111.965,-200.796) E20(-110.841,-199.796) E21(-111.965,-198.796) E22(-110.841,-197.796) E23(-111.965,-196.796) E24(-110.841,-195.796) E25(-111.965,-194.796) E26(-110.841,-193.796) E27(-111.965,-192.796) E28(-110.841,-191.796) E29(-111.965,-190.796) E30(-110.841,-189.796) E31(-111.965,-188.796) E32(-110.841,-187.796) E33(-111.965,-186.796) E34(-110.841,-185.796) E35(-111.965,-184.796) E36(-110.841,-183.796) E37(-111.965,-182.796) E38(-110.841,-181.796) E39(-111.965,-180.796) E40(-110.841,-179.796) E41(-111.965,-178.796) E42(-110.841,-177.796) E43(-111.965,-176.796) E44(-110.841,-175.796) E45(-111.965,-174.796) E46(-110.841,-173.796) E47(-111.965,-172.796) E48(-110.841,-171.796) E49(-111.965,-170.796) E50(-110.841,-169.796) E51(-111.965,-168.796) E52(-110.841,-167.796) E53(-111.965,-166.796) E54(-110.841,-165.796) E55(-111.965,-164.796) E56(-110.841,-163.796) E57(-111.965,-162.796) E58(-110.841,-161.796) E59(-111.965,-160.796) E60(-110.841,-159.796) E61(-111.965,-158.796) E62(-110.841,-157.796) F1(-114.215,-218.796) F2(-113.09,-217.796) F3(-114.215,-216.796) F4(-113.09,-215.796) F5(-114.215,-214.796) F6(-113.09,-213.796) F7(-114.215,-212.796) F8(-113.09,-211.796) F9(-114.215,-210.796) F10(-113.09,-209.796) F11(-114.215,-208.796) F12(-113.09,-207.796) F13(-114.215,-206.796) F14(-113.09,-205.796) F15(-114.215,-204.796) F16(-113.09,-203.796) F17(-114.215,-202.796) F18(-113.09,-201.796) F19(-114.215,-200.796) F20(-113.09,-199.796) F21(-114.215,-198.796) F22(-113.09,-197.796) F23(-114.215,-196.796) F24(-113.09,-195.796) F25(-114.215,-194.796) F26(-113.09,-193.796) F27(-114.215,-192.796) F28(-113.09,-191.796) F29(-114.215,-190.796) F30(-113.09,-189.796) F31(-114.215,-188.796) F32(-113.09,-187.796) F33(-114.215,-186.796) F34(-113.09,-185.796) F35(-114.215,-184.796) F36(-113.09,-183.796) F37(-114.215,-182.796) F38(-113.09,-181.796) F39(-114.215,-180.796) F40(-113.09,-179.796) F41(-114.215,-178.796) F42(-113.09,-177.796) F43(-114.215,-176.796) F44(-113.09,-175.796) F45(-114.215,-174.796) F46(-113.09,-173.796) F47(-114.215,-172.796) F48(-113.09,-171.796) F49(-114.215,-170.796) F50(-113.09,-169.796) F51(-114.215,-168.796) F52(-113.09,-167.796) F53(-114.215,-166.796) F54(-113.09,-165.796) F55(-114.215,-164.796) F56(-113.09,-163.796) F57(-114.215,-162.796) F58(-113.09,-161.796) F59(-114.215,-160.796) F60(-113.09,-159.796) F61(-114.215,-158.796) F62(-113.09,-157.796) G2(-115.34,-217.796) G4(-115.34,-215.796) G6(-115.34,-213.796) G8(-115.34,-211.796) G10(-115.34,-209.796) G12(-115.34,-207.796) G14(-115.34,-205.796) G16(-115.34,-203.796) G18(-115.34,-201.796) G20(-115.34,-199.796) G22(-115.34,-197.796) G24(-115.34,-195.796) G26(-115.34,-193.796) G28(-115.34,-191.796) G30(-115.34,-189.796) G32(-115.34,-187.796) G34(-115.34,-185.796) G36(-115.34,-183.796) G38(-115.34,-181.796) G40(-115.34,-179.796) G42(-115.34,-177.796) G44(-115.34,-175.796) G46(-115.34,-173.796) G48(-115.34,-171.796) G50(-115.34,-169.796) G52(-115.34,-167.796) G54(-115.34,-165.796) G56(-115.34,-163.796) G58(-115.34,-161.796) G60(-115.34,-159.796)
  custom 0.257x0.257 smd: Z5(-100.716,-214.796) Z7(-100.716,-212.796) Z9(-100.716,-210.796) Z11(-100.716,-208.796) Z13(-100.716,-206.796) Z15(-100.716,-204.796) Z17(-100.716,-202.796) Z19(-100.716,-200.796) Z21(-100.716,-198.796) Z23(-100.716,-196.796) Z25(-100.716,-194.796) Z27(-100.716,-192.796) Z29(-100.716,-190.796) Z31(-100.716,-188.796) Z33(-100.716,-186.796) Z35(-100.716,-184.796) Z37(-100.716,-182.796) Z39(-100.716,-180.796) Z41(-100.716,-178.796) Z43(-100.716,-176.796) Z45(-100.716,-174.796) Z47(-100.716,-172.796) Z49(-100.716,-170.796) Z51(-100.716,-168.796) Z53(-100.716,-166.796) Z55(-100.716,-164.796) Z57(-100.716,-162.796) Z59(-100.716,-160.796) Z61(-100.716,-158.796)
R0201
  rect 0.305x0.356 smd: 1(-0.3,0) 2(0.3,0)
R0402
  custom 0.15x0.15 smd: 1(-0.5,0) 2(0.5,0)
R0603
  rect 0.889x0.889 smd: 1(-0.85,0) 2(0.85,0)
RL_NECUA2_12V_V2
  rect 1.626x1.626 hole 1.041: 1(3.6,1.6)
  round 1.626 hole 1.041: 2(0.4,1.6) 3(-1.8,1.6) 4(-4,1.6) 5(-4,-1.6) 6(-1.8,-1.6) 7(0.4,-1.6) 8(3.6,-1.6)
SK_QFN4X4_56P_0P4MM_GRIFFI
  round 0.508 hole 1.53 unplated: (-8.25,8.25) (8.25,-8.25)
  custom 0.675x0.675 smd: EPAD1(0,0)
  custom 0.338x0.338 smd: EPAD2(0,0)
  rect 0.28x0.25 smd: F1(-2.025,1.2) F2(-2.025,0.8) F3(-1.625,0.4) F4(-2.025,0) F5(-2.025,-0.4) F6(-2.025,-0.8) F7(-2.025,-1.2) F8(-1.2,-2.025) F9(-0.8,-2.025) F10(-0.4,-2.025) F11(0,-2.025) F12(0.4,-2.025) F13(0.8,-2.025) F14(1.2,-2.025) F15(2.025,-1.2) F16(2.025,-0.8) F17(2.025,-0.4) F18(2.025,0) F19(2.025,0.4) F20(2.025,0.8) F21(2.025,1.2) F22(1.2,2.025) F23(0.8,2.025) F24(0.4,1.625) F25(0,2.025) F26(-0.4,2.025) F27(-0.8,2.025) F28(-1.2,2.025) S1(-1.625,1.2) S2(-1.625,0.8) S3(-2.025,0.4) S4(-1.625,0) S5(-1.625,-0.4) S6(-1.625,-0.8) S7(-1.625,-1.2) S8(-1.2,-1.625) S9(-0.8,-1.625) S10(-0.4,-1.625) S11(0,-1.625) S12(0.4,-1.625) S13(0.8,-1.625) S14(1.2,-1.625) S15(1.625,-1.2) S16(1.625,-0.8) S17(1.625,-0.4) S18(1.625,0) S19(1.625,0.4) S20(1.625,0.8) S21(1.625,1.2) S22(1.2,1.625) S23(0.8,1.625) S24(0.4,2.025) S25(0,1.625) S26(-0.4,1.625) S27(-0.8,1.625) S28(-1.2,1.625)
  round 0.61 hole 0.307: G1(-1,1) G2(0,1) G3(1,1) G4(-1,0) G5(-1,-1) G6(1,-1)
  round 6.096 hole 3.759: NUT1(-11,11) NUT2(11,11) NUT3(-11,-11) NUT4(11,-11)
SO8_195X127MM
  rect 1.778x0.508 smd: 1(-2.477,1.905) 2(-2.477,0.635) 3(-2.477,-0.635) 4(-2.477,-1.905) 5(2.477,-1.905) 6(2.477,-0.635) 7(2.477,0.635) 8(2.477,1.905)
SO8_206X127MM
  rect 1.905x1.143 smd: 1(-2.616,2.095) 4(-2.616,-2.095) 5(2.616,-2.095) 8(2.616,2.095)
  rect 1.905x0.762 smd: 2(-2.616,0.635) 3(-2.616,-0.635) 6(2.616,-0.635) 7(2.616,0.635)
SOCKET_CODE
  round 0.051 smd: 1(0,0)
TO263_3
  rect 1.27x3.302 smd: 1(-2.54,-6.35) 2(0,-6.35) 3(2.54,-6.35)
  rect 10.414x11.43 smd: 4(0,2.413)
TP_040_T
  round 1.016 smd: 1(0,0)
TSOT23-5
  rect 0.635x1.27 smd: 1(0.95,1.31) 2(0,1.31) 3(-0.95,1.31) 4(-0.95,-1.31) 5(0.95,-1.31)
unnamed#2
  round 1.016 smd: 1(0,0)

## Nets
48V: SLOT0.F2 SLOT0.G2
48V_RTN: SLOT0.D2 SLOT0.E2
+15V: BC10.1 BC11.1 FUSE1.1 SLOT0.B8 SLOT0.C8 SLOT0.D8 T_+15V.1(TP)
-15V: BC12.2 BC13.2 SLOT0.E8 SLOT0.F8 SLOT0.G8 T_-15V.1(TP)
